# KiCad board TRS80_Model_I_Jap20_E1.kicad_pcb (continued)
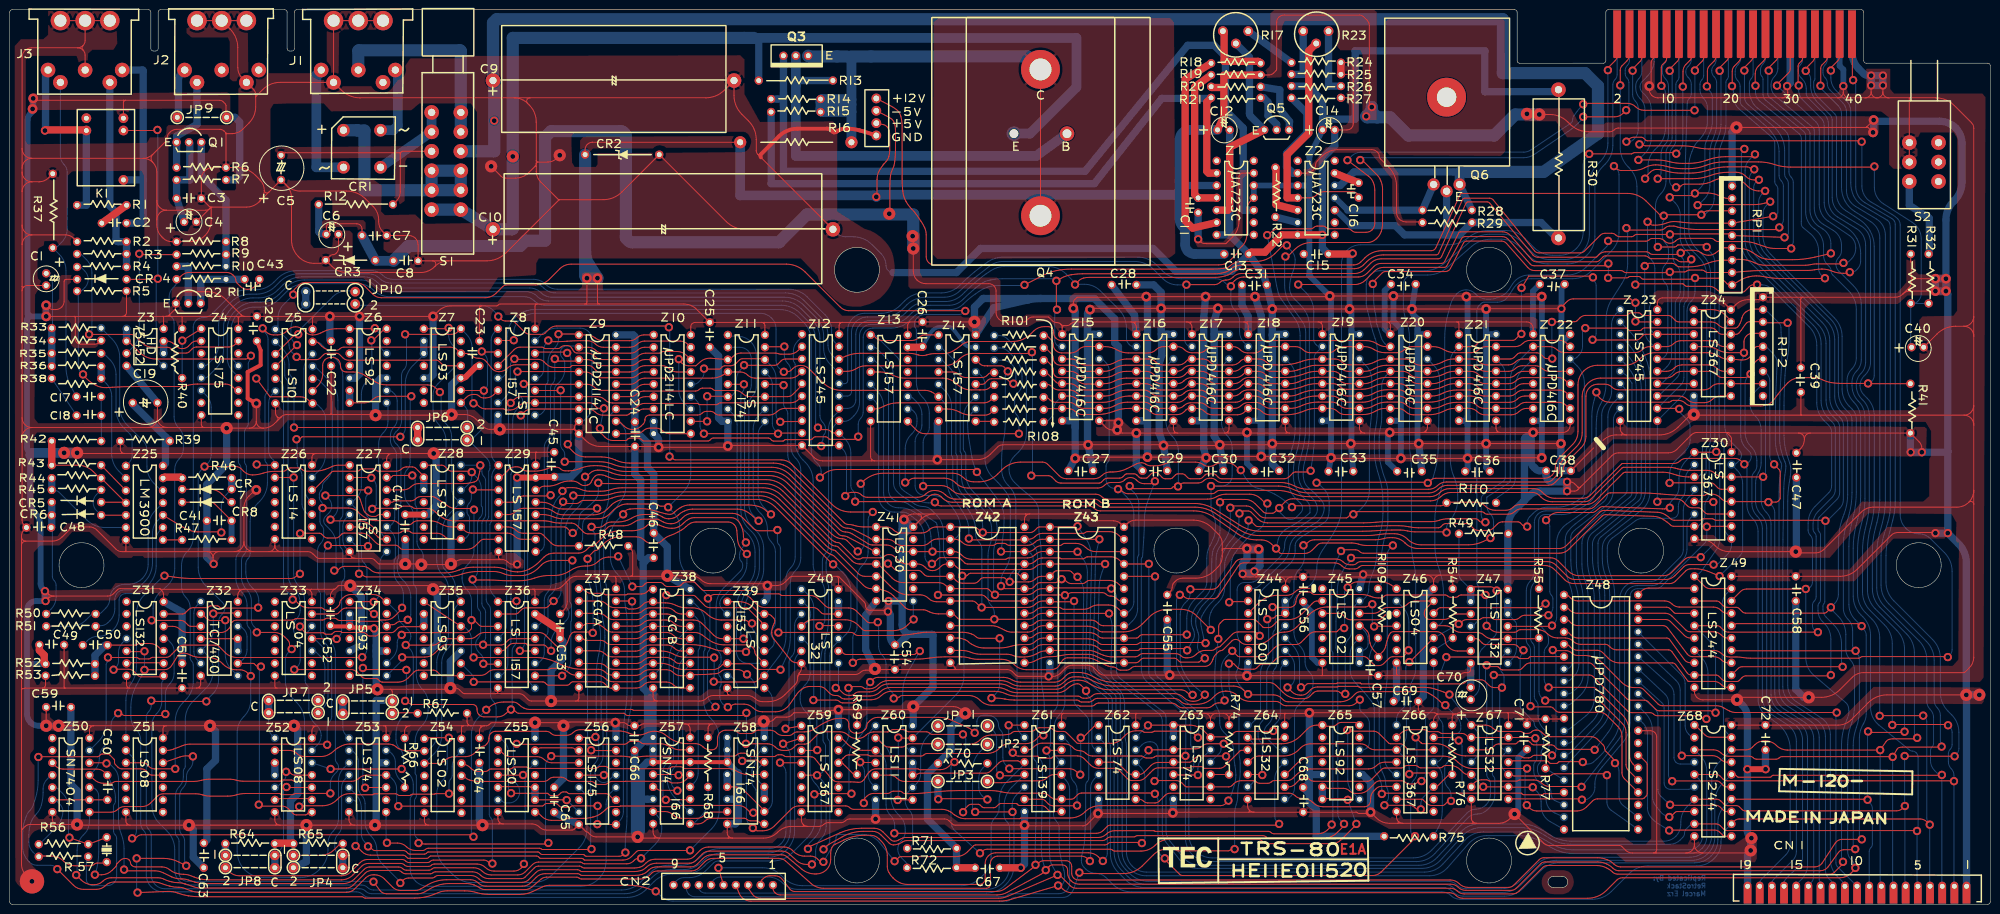
[diagram p0: board, top side]
## Routing (per net, layer and track width the routed paths; a pad name or vN(x,y) marks a point on that pad's centre or on a via; arc(x,y) is an arc through that point) (continued)
+12V: length 756.1
  Top w0.2: TP1.1 180.86,164.32 arc(181.56,163.92) 182.23,163.46 arc(182.77,162.88) 183.09,162.17 183.13,162.01 arc(183.32,161.05) 183.39,160.07 183.39,149.19 arc(183.42,147.98) 183.51,146.77 183.53,146.63 arc(183.74,145.59) 184.16,144.62 184.22,144.51 arc(184.73,143.72) 185.35,143.01 arc(185.98,142.32) 186.54,141.57 187.27,140.48 arc(187.68,139.83) 188.02,139.15 arc(188.26,138.43) 188.34,137.68 188.34,133.16 arc(188.46,132.53) 188.82,132 arc(189.36,131.64) 189.99,131.51 248.45,131.51 arc(249.04,131.56) 249.62,131.68 arc(250.15,131.91) 250.61,132.27 252.2,133.86 arc(252.33,134.05) 252.37,134.27 arc(252.42,134.49) 252.54,134.68 253.3,135.44 arc(253.99,136.47) 254.23,137.68 254.23,142.88 arc(254.41,143.81) 254.94,144.6 Z1.11 ; v1(314.83,124.99) v1(299.34,124.99) 299.27,125.05 arc(299.2,125.1) 299.12,125.11 v1(284.35,125.11) v1(271.27,125.11) 271.21,125.05 arc(271.14,125) 271.05,124.99 v1(255.9,124.99) v1(245.74,124.99) v1(233.55,124.99) 233.49,124.92 arc(233.42,124.88) 233.33,124.86 219.42,124.86 arc(219.33,124.84) 219.26,124.8 218.88,124.42 arc(218.65,124.06) 218.56,123.65 v1(218.56,122.57) ; v1(218.95,91.71) 219.07,91.84 arc(219.21,91.93) 219.38,91.97 v1(233.81,91.97) 245.65,91.97 arc(245.74,91.95) 245.81,91.9 v1(245.87,91.84) 246,91.97 arc(246.14,92.06) 246.3,92.09 v1(257.17,92.09) 271.09,92.09 arc(271.26,92.06) 271.4,91.97 v1(271.52,91.84) 271.59,91.78 arc(271.66,91.73) 271.74,91.71 v1(285.88,91.71) v1(299.59,91.71) 299.65,91.78 arc(299.72,91.82) 299.81,91.84 v1(314.83,91.84)
  Bottom w1.2: 271.52,98.57 271.52,100.35 ; 271.52,98.57 v1(271.52,91.84) C33.1 ; 271.52,98.57 arc(271.26,99.2) 270.63,99.46 ; 271.52,100.35 271.52,124.68 arc(271.49,124.85) 271.4,124.99 v1(271.27,125.11) 267.23,129.15 267.13,129.25 arc(267.09,129.31) 267.08,129.38 267.08,129.52 267.08,146.64 ; 271.52,100.35 arc(271.26,99.72) 270.63,99.46 ; 285.88,100.54 285.88,98.38 ; 285.88,100.54 285.88,118.38 284.35,119.91 v1(284.35,125.11) ; 285.88,100.54 285.88,99.46 ; 285.88,98.38 v1(285.88,91.71) ; 285.88,98.38 285.88,99.46 ; v1(314.83,91.84) 314.84,91.85 arc(314.85,91.86) 314.85,91.88 314.85,98.56 ; 267.08,146.64 267.08,147.85 ; 267.08,146.64 267.08,149.05 ; 267.08,147.85 267.08,149.05 ; 267.08,147.85 Z2.3 Z1.12 Z1.11 ; 267.08,149.05 267.08,153.73 arc(267.09,153.81) 267.12,153.89 C14.1 ; 314.85,100.36 314.85,99.46 ; 314.85,100.36 314.85,124.95 arc(314.85,124.96) 314.84,124.98 v1(314.83,124.99) ; 314.85,100.36 314.85,98.56 ; 314.85,99.46 Z22.8 ; 314.85,99.46 314.85,98.56 ; 299.59,98.57 v1(299.59,91.71) 299.59,89.55 C36.1 ; 299.59,98.57 299.59,99.46 ; 299.59,98.57 299.59,100.35 ; v1(299.34,124.99) 299.46,124.86 arc(299.56,124.72) 299.59,124.55 299.59,100.35 ; 285.88,99.46 Z20.8 ; 299.59,100.35 299.59,99.46 ; 299.59,99.46 Z21.8 ; 270.63,99.46 Z19.8 ; Z18.8 256.51,99.46 arc(256.98,99.66) 257.17,100.13
  Bottom w1.5: Z17.8 245.36,99.46 ; v1(245.74,124.99) 245.37,120.74 arc(245.36,120.67) 245.36,120.6 245.36,100.67 ; 269.79,161.5 276.5,161.5 276.5,175.51 276.48,175.53 303.15,175.53 303.15,167.18 303.15,167.15 303.18,167.15 317.58,167.15 arc(317.84,167.2) 318.06,167.35 R30.1 ; 269.79,161.5 269.79,165.33 266.82,168.29 R26.1 ; 269.79,161.5 C14.1 ; 218.95,98.13 218.95,99.46 ; 218.95,98.13 v1(218.95,91.71) C27.1 ; 218.95,98.13 218.95,100.79 ; 218.95,99.46 218.95,100.79 ; 218.95,99.46 Z15.8 ; v1(218.56,122.57) 218.76,122.38 arc(218.9,122.17) 218.95,121.92 218.95,100.79 ; v1(255.9,124.99) 257.17,121.05 v1(257.17,92.09) ; v1(233.81,91.97) 233.81,98.32 ; 233.81,98.32 233.81,99.46 ; 233.81,98.32 233.81,100.6 ; 245.36,100.67 245.36,99.46 ; 245.36,100.67 245.36,98.25 ; 245.36,99.46 245.36,98.25 ; Z16.8 233.81,99.46 ; 245.36,98.25 245.36,93.75 v1(245.87,91.84) C30.1 ; 233.81,100.6 233.81,124.55 arc(233.77,124.72) 233.68,124.86 v1(233.55,124.99) ; 233.81,100.6 233.81,99.46
-5V: length 426
  Top w0.2: 297.38,119.78 297.74,119.78 ; 297.38,119.78 283.6,119.78 ; 297.38,119.78 arc(297.55,119.75) 297.69,119.65 ; 297.74,119.78 311.75,119.78 arc(312.25,119.68) 312.67,119.4 arc(312.95,118.98) 313.05,118.48 Z22.1 ; 297.74,119.78 arc(297.67,119.73) 297.69,119.65 ; 254.36,119.78 253.64,119.78 ; 254.36,119.78 268.88,119.78 ; 254.36,119.78 arc(254.22,119.69) 254.25,119.53 ; 253.64,119.78 242.76,119.78 ; 253.64,119.78 arc(253.97,119.71) 254.25,119.53 ; 268.88,119.78 269.6,119.78 ; 268.88,119.78 arc(269.21,119.71) 269.49,119.53 ; C7.1 72.39,138.89 arc(72.31,139.3) 72.07,139.66 arc(71.72,139.89) 71.3,139.97 65.71,139.97 arc(65.46,139.92) 65.25,139.78 arc(65.11,139.57) 65.06,139.32 C6.2 ; 231.33,119.78 230.43,119.78 ; 231.33,119.78 241.86,119.78 ; 231.33,119.78 arc(231.16,119.67) 231.2,119.46 ; 230.43,119.78 218.98,119.78 arc(218.48,119.68) 218.06,119.4 arc(217.63,119.12) 217.14,119.02 216.73,119.02 ; 230.43,119.78 arc(230.85,119.7) 231.2,119.46 ; Z19.1 269.75,118.91 arc(269.68,119.24) 269.49,119.53 ; Z17.1 242.95,118.7 arc(242.87,119.11) 242.63,119.46 ; v3(180.74,142.03) 180.81,142.09 arc(180.85,142.16) 180.87,142.25 180.87,148.16 arc(180.9,148.99) 180.99,149.81 181.02,149.98 arc(181.17,150.61) 181.42,151.21 arc(181.68,151.8) 181.82,152.43 181.87,152.86 arc(181.98,153.95) 182.01,155.03 182.01,159.38 arc(181.96,160.03) 181.8,160.67 181.78,160.73 arc(181.51,161.23) 181.09,161.62 arc(180.58,161.93) 180.06,162.21 TP1.2 ; 283.07,119.78 269.6,119.78 ; 283.07,119.78 283.6,119.78 ; 283.07,119.78 arc(283.31,119.73) 283.53,119.59 ; 269.6,119.78 arc(269.46,119.69) 269.49,119.53 ; 283.6,119.78 arc(283.5,119.71) 283.53,119.59 ; v3(185.54,137.43) 185.61,137.37 arc(185.66,137.3) 185.67,137.22 v3(185.67,134.89) 185.67,130.26 arc(185.87,129.26) 186.43,128.42 arc(187.28,127.85) 188.27,127.65 201.17,127.65 arc(201.75,127.54) 202.25,127.21 arc(202.57,126.72) 202.69,126.14 202.69,121.78 arc(203.28,120.37) 204.69,119.78 208.57,119.78 arc(208.65,119.8) 208.72,119.84 209.23,120.35 arc(209.72,120.68) 210.3,120.8 213.4,120.8 arc(213.48,120.78) 213.55,120.73 214.27,120.01 arc(214.67,119.75) 215.14,119.65 215.19,119.65 arc(215.61,119.57) 215.96,119.34 ; 241.86,119.78 242.76,119.78 ; 241.86,119.78 arc(242.28,119.7) 242.63,119.46 ; 242.76,119.78 arc(242.59,119.67) 242.63,119.46 ; Z18.1 254.51,118.91 arc(254.44,119.24) 254.25,119.53 ; Z20.1 283.72,119.13 arc(283.67,119.38) 283.53,119.59 ; Z21.1 297.81,119.35 arc(297.78,119.51) 297.69,119.65 ; Z16.1 231.52,118.7 arc(231.44,119.11) 231.2,119.46 ; 216.28,118.57 Z15.1 ; 216.28,118.57 arc(216.41,118.89) 216.73,119.02 ; 216.28,118.57 arc(216.2,118.98) 215.96,119.34 ; 216.73,119.02 arc(216.31,119.1) 215.96,119.34
  Bottom w1.2: Z22.1 313.04,117.25 arc(313.03,117.26) 313.03,117.28 313.03,126.11 C37.1 ; C34.1 282.55,126.23 282.55,118.5 arc(282.57,118.41) 282.61,118.34 Z20.1
  Bottom w1.5: Z16.1 231.15,121.1 231.14,121.18 C28.1 ; C31.1 253.24,123.21 254.51,120.92 Z18.1 ; C6.2 65,137.88 arc(64.93,137.92) 64.85,137.94 64.15,137.94 arc(63.9,137.99) 63.69,138.13 63.59,138.23 arc(63.52,138.33) 63.5,138.46 R12.1
  Bottom w2: C8.1 75.32,132.35 arc(75.24,132.37) 75.17,132.42 arc(75.11,132.48) 75.06,132.56 C7.1
  Bottom w2.5: v3(185.67,134.89) 185.67,141.88 163.83,141.88 158.11,136.16 127.82,136.16 arc(127.53,136.22) 127.28,136.39 126.69,136.98 arc(126.64,137.06) 126.62,137.16 126.62,137.37 126.62,157.99 arc(126.57,158.24) 126.43,158.45 126.05,158.83 arc(125.83,158.97) 125.59,159.02 111.25,159.02 110,157.77 110,136.5 106,136.5 104.9,135.4 82.31,135.4 82.31,135.39 82.03,135.39 82.03,135.4 arc(81.89,135.37) 81.78,135.3 81.57,135.09 C8.1
GND: length 4191.5
  Top w0.2: J3.2 15.49,177.69 arc(15.38,177.1) 15.05,176.61 ; 50.54,166.07 50.54,164.04 arc(50.18,162.22) 49.15,160.68 47.89,159.41 arc(46.89,158.75) 45.72,158.51 44.51,158.51 ; 50.54,166.07 50.54,166.58 arc(50.44,167.11) 50.14,167.56 47.75,169.94 arc(47.09,170.93) 46.86,172.09 46.86,176.2 arc(46.45,178.28) 45.27,180.05 J2.5 ; 50.54,166.07 arc(50.56,166.13) 50.59,166.18 52,167.6 arc(53.62,168.68) 55.53,169.06 J1.4 ; v2(334.08,119.88) 334.13,119.83 arc(334.19,119.79) 334.26,119.78 Z23.19 ; 108.52,152.67 110.64,152.67 arc(111.56,152.85) 112.33,153.37 v3(113.03,154.07) ; 108.52,152.67 arc(108.29,152.77) 108.2,152.99 ; 108.52,152.67 arc(108.29,152.58) 108.2,152.36 ; 403.6,85.15 403.6,98.6 ; 403.6,85.15 403.6,82.28 ; 403.6,85.15 arc(403.34,83.82) 402.59,82.7 ; 403.6,98.6 403.6,102.6 ; 403.6,98.6 arc(403.02,100.02) 401.6,100.6 ; 148.53,13.61 154.88,13.61 arc(156.46,13.92) 157.8,14.81 arc(159.13,15.71) 160.71,16.02 162.91,16.02 ; 148.53,13.61 147.63,13.61 ; 148.53,13.61 arc(148.11,13.69) 147.76,13.93 ; 116.85,41.8 116.31,41.8 ; 116.85,41.8 132.35,41.8 ; 116.85,41.8 arc(116.75,41.87) 116.77,41.99 ; 116.31,41.8 v3(111.25,41.8) 107.25,41.8 arc(106.84,41.88) 106.49,42.12 105.73,42.88 arc(105.23,43.21) 104.65,43.33 100.25,43.33 ; 116.31,41.8 arc(116.56,41.85) 116.77,41.99 ; 2.6,15.45 3.17,16.02 arc(3.6,16.3) 4.09,16.4 8.95,16.4 ; 2.6,15.45 arc(2.46,15.24) 2.41,14.99 ; 2.6,15.45 arc(2.48,15.43) 2.41,15.53 ; 86.08,16.28 85.36,16.28 ; 86.08,16.28 v3(97.15,16.28) 97.28,16.4 arc(97.42,16.5) 97.59,16.53 100.51,16.53 ; 86.08,16.28 arc(85.75,16.34) 85.47,16.53 ; 85.36,16.28 v3(75.06,16.28) 70.81,16.28 ; 85.36,16.28 arc(85.5,16.37) 85.47,16.53 ; 403.6,120.89 403.6,159.66 arc(403.49,160.25) 403.16,160.74 399.61,164.29 arc(397.84,165.47) 395.76,165.88 390.42,165.88 ; 403.6,120.89 403.6,116.89 ; 403.6,120.89 arc(403.02,119.48) 401.6,118.89 ; Z29.8 100.45,71.32 arc(100.49,71.15) 100.58,71.01 ; 8.84,150.26 8.02,149.43 arc(7.1,148.82) 6.02,148.61 4.54,148.61 ; J2.5 J2.5 ; 384.94,167.09 v2(384.94,168.42) ; 384.94,167.09 arc(385.29,166.23) 386.14,165.88 ; 384.94,167.09 arc(384.58,166.23) 383.73,165.88 ; 32.22,142.77 40.32,142.77 arc(40.73,142.85) 41.08,143.08 41.31,143.31 ; 32.22,142.77 arc(30.81,142.18) 30.22,140.77 ; 32.22,142.77 arc(30.81,143.35) 30.22,144.77 ; Z48.29 337.15,35.71 arc(337.65,35.61) 338.07,35.32 arc(338.35,34.9) 338.45,34.41 338.45,11.21 arc(338.4,10.96) 338.26,10.75 ; 3.3,74.69 8.74,74.69 arc(9.82,74.91) 10.73,75.52 12.19,76.98 arc(12.89,77.45) 13.72,77.62 16.38,77.62 arc(17.2,77.45) 17.9,76.99 21.86,73.03 arc(22.4,72.66) 23.05,72.54 23.66,72.54 ; 3.3,74.69 arc(2.67,74.96) 2.41,75.58 ; 3.3,74.69 arc(2.67,74.43) 2.41,73.81 ; J4.8 337.94,174.59 arc(337.86,174.17) 337.63,173.82 arc(337.39,173.47) 337.31,173.05 337.31,168.94 arc(337.26,168.7) 337.12,168.48 v1(336.93,168.29) 336.93,167.6 arc(337.06,166.95) 337.42,166.4 337.44,166.39 arc(338,166.01) 338.66,165.88 364.23,165.88 ; 32.35,98.06 28.35,98.06 ; 32.35,98.06 39.48,98.06 ; 32.35,98.06 arc(30.94,98.65) 30.35,100.06 ; 28.35,98.06 4.54,98.06 ; 28.35,98.06 arc(29.77,98.65) 30.35,100.06 ; 54.99,99.46 55.75,100.22 ; 54.99,99.46 54.42,98.89 arc(53.36,98.18) 52.12,97.94 52.07,97.94 ; 54.99,99.46 arc(55.15,99.84) 54.99,100.22 ; 55.75,100.22 55.81,100.29 arc(56.31,100.61) 56.89,100.73 65.82,100.73 ; 55.75,100.22 arc(55.37,100.06) 54.99,100.22 ; 338.34,10.56 344.49,10.56 ; 338.34,10.56 337.8,10.56 ; 338.34,10.56 arc(338.24,10.63) 338.26,10.75 ; 344.49,10.56 347.91,10.56 ; 344.49,10.56 arc(345.7,11.06) 346.2,12.27 ; 55.57,16.28 v3(60.96,16.28) 69.91,16.28 ; 55.57,16.28 54.67,16.28 ; 55.57,16.28 arc(55.15,16.36) 54.8,16.59 ; 41.78,71.33 41.78,70.21 arc(41.8,70.13) 41.84,70.06 v2(41.91,70) ; 41.78,71.33 arc(41.43,72.18) 40.57,72.54 ; 41.78,71.33 arc(42.13,72.18) 42.99,72.54 ; 70.23,71.52 70.07,71.68 arc(69.91,71.93) 69.85,72.22 Z27.8 ; 70.23,71.52 arc(70.28,71.28) 70.07,71.14 ; 70.23,71.52 arc(70.65,71.24) 71.15,71.14 ; 30.22,144.77 30.22,150.62 arc(30.01,151.7) 29.4,152.61 ; 30.22,144.77 30.22,140.77 ; 194.12,48.28 C54.2 178.01,48.28 arc(177.93,48.3) 177.86,48.34 v3(177.8,48.41) 177.67,48.28 arc(177.53,48.19) 177.36,48.15 175.89,48.15 arc(175.31,48.04) 174.81,47.71 arc(174.32,47.38) 173.74,47.26 162.46,47.26 ; 194.12,48.28 194.5,48.28 ; 194.12,48.28 arc(194.25,48.33) 194.31,48.47 ; 78.18,44.22 v3(75.56,44.22) 75.44,44.34 arc(75.3,44.44) 75.13,44.47 54.91,44.47 ; 78.18,44.22 78.54,44.22 ; 78.18,44.22 arc(78.34,44.18) 78.48,44.09 ; 103.66,165.88 71.97,165.88 arc(69.89,166.29) 68.13,167.47 J1.4 ; 103.66,165.88 106.9,165.88 ; 103.66,165.88 arc(105.16,165.58) 106.43,164.74 ; 24.74,16.28 v3(36.83,16.28) 54.67,16.28 ; 24.74,16.28 24.02,16.28 ; 24.74,16.28 arc(24.41,16.34) 24.13,16.53 ; 364.23,165.88 366.52,165.88 ; 364.23,165.88 arc(365.04,166.22) 365.38,167.02 ; 101.41,16.53 107.3,16.53 arc(108.13,16.36) 108.84,15.89 arc(109.54,15.42) 110.37,15.26 115.57,15.26 arc(115.8,15.31) 116,15.44 Z56.8 118.4,14.97 arc(118.5,14.9) 118.62,14.88 arc(118.73,14.85) 118.83,14.79 119.25,14.37 arc(119.81,13.99) 120.48,13.86 v3(129.03,13.86) 129.16,13.74 arc(129.3,13.64) 129.46,13.61 132.43,13.61 ; 101.41,16.53 100.51,16.53 ; 101.41,16.53 arc(101,16.61) 100.65,16.85 ; 44.51,158.51 arc(44.47,158.5) 44.45,158.45 ; 44.51,158.51 arc(44.47,158.53) 44.45,158.58 ; Z38.9 132.2,42.67 arc(132.27,42.34) 132.46,42.06 ; Z27.15 78.22,87.78 arc(78.32,87.8) 78.41,87.85 78.62,88.07 arc(78.78,88.17) 78.96,88.21 v2(82.73,88.21) ; 2.54,135.69 2.54,127.09 ; 2.54,135.69 2.54,139.69 ; 2.54,135.69 arc(3.12,137.1) 4.54,137.69 ; 2.54,127.09 2.54,126.19 ; 2.54,127.09 arc(2.65,126.92) 2.86,126.96 ; 42.99,72.54 40.57,72.54 ; 42.99,72.54 46.13,72.54 ; 40.57,72.54 23.84,72.54 ; 100.53,70.88 92.7,70.88 arc(92.12,70.77) 91.63,70.44 91.36,70.18 arc(91.16,70.04) 90.93,70 v3(90.68,70) 90.61,69.93 arc(90.54,69.89) 90.46,69.87 v3(84.58,69.87) 84.52,69.93 arc(84.45,69.98) 84.36,70 v3(81.28,70) 75.91,70 arc(75.82,70.01) 75.75,70.06 74.99,70.82 arc(74.64,71.06) 74.23,71.14 71.15,71.14 ; 100.53,70.88 100.89,70.88 ; 100.53,70.88 arc(100.6,70.93) 100.58,71.01 ; Z49.10 346.2,43.79 arc(346.33,43.13) 346.71,42.56 arc(347.27,42.19) 347.93,42.06 v3(354.96,42.06) 355.22,42.31 arc(355.5,42.5) 355.83,42.56 v3(369.69,42.56) 372.28,42.56 arc(374.35,42.98) 376.11,44.15 378.65,46.69 arc(379.7,47.4) 380.95,47.64 401.61,47.64 arc(401.69,47.66) 401.76,47.71 402.71,48.66 arc(403.37,49.64) 403.6,50.81 403.6,82.28 ; 147.56,42.94 144.57,42.94 arc(143.82,42.8) 143.19,42.37 arc(142.56,41.95) 141.81,41.8 133.07,41.8 ; 147.56,42.94 148.1,42.94 ; 147.56,42.94 arc(147.66,43.01) 147.64,43.14 ; 23.84,72.54 23.66,72.54 ; 23.84,72.54 arc(23.8,72.56) 23.81,72.6 ; 376.81,167.09 v2(376.81,168.29) ; 376.81,167.09 arc(376.45,166.23) 375.6,165.88 ; 376.81,167.09 arc(377.16,166.23) 378.01,165.88 ; 177.06,91.21 167,91.21 arc(166.06,91.39) 165.27,91.92 Z12.10 147.79,94.38 arc(147.71,94.36) 147.64,94.32 v1(147.57,94.25) 147.44,94.12 arc(147.3,94.03) 147.13,93.99 v1(133.35,93.99) 133.27,94.08 arc(133.17,94.14) 133.07,94.16 C24.2 121.46,94.16 arc(119.74,94.5) 118.28,95.48 116.35,97.41 ; 177.06,91.21 177.78,91.21 ; 177.06,91.21 arc(177.2,91.3) 177.16,91.46 ; 65.26,132.8 65.84,133.37 arc(66.12,133.56) 66.44,133.62 arc(66.77,133.69) 67.05,133.87 67.18,134 arc(67.46,134.43) 67.56,134.92 C6.1 ; 65.26,132.8 64.63,132.16 ; 65.26,132.8 arc(65.13,132.48) 65.26,132.16 ; 69.91,16.28 70.81,16.28 ; 69.91,16.28 arc(70.08,16.39) 70.04,16.59 ; 44.45,158.45 44.45,158.58 ; 44.45,158.45 R6.2 ; 44.45,158.58 arc(44.44,158.64) 44.4,158.69 44.07,159.02 arc(43.64,159.3) 43.15,159.4 34.33,159.4 arc(33.59,159.26) 32.95,158.83 32.74,158.62 arc(32.48,158.22) 32.38,157.75 arc(32.29,157.28) 32.02,156.89 29.4,154.26 ; 54.91,44.47 54.56,44.47 ; 54.91,44.47 arc(54.75,44.5) 54.61,44.6 ; Z55.7 100.33,17.61 arc(100.41,17.2) 100.65,16.85 ; 24.11,44.47 24.65,44.47 ; 24.11,44.47 11.39,44.47 ; 24.11,44.47 arc(24.22,44.54) 24.19,44.66 ; 24.65,44.47 38.37,44.47 ; 24.65,44.47 arc(24.4,44.52) 24.19,44.66 ; 2.41,75.58 2.41,75.75 arc(2.54,76.42) 2.92,76.98 2.98,77.04 arc(3.17,77.49) 2.98,77.93 arc(2.65,78.43) 2.54,79.01 2.54,96.06 ; 2.41,75.58 2.41,73.81 ; J3.2 15.49,174.65 arc(15.38,175.23) 15.05,175.72 ; R6.2 41.75,151.53 arc(40.84,151.35) 40.07,150.83 arc(39.55,150.06) 39.37,149.15 C3.2 41.06,143.49 arc(41.16,143.43) 41.27,143.4 ; R6.2 46.67,151.53 arc(48.72,151.12) 50.46,149.96 51.42,149 arc(52.09,148) 52.32,146.83 ; 132.43,13.61 133.51,13.61 ; 132.43,13.61 arc(132.63,13.75) 132.59,13.99 ; 133.51,13.61 147.63,13.61 ; 133.51,13.61 arc(133.01,13.71) 132.59,13.99 ; 54.67,16.28 arc(54.84,16.39) 54.8,16.59 ; Z51.7 23.87,17.14 arc(23.94,16.81) 24.13,16.53 ; 2.54,151.44 2.54,150.61 ; 2.54,151.44 2.54,155.43 ; 2.54,151.44 arc(3.12,152.85) 4.54,153.44 ; 2.54,150.61 2.54,146.61 ; 2.54,150.61 arc(3.12,149.19) 4.54,148.61 ; 147.44,62.25 149.84,62.25 arc(151.5,61.92) 152.91,60.98 153.86,60.02 arc(154.21,59.79) 154.62,59.71 155.61,59.71 arc(156.12,59.61) 156.54,59.32 157.02,58.85 arc(157.17,58.62) 157.22,58.35 arc(157.19,58.06) 157.1,57.79 156.91,57.37 arc(156.67,56.67) 156.59,55.93 156.59,55.91 arc(156.71,55.18) 157.07,54.53 160.39,50.32 arc(160.99,49.85) 161.73,49.68 162.47,49.68 arc(162.55,49.66) 162.62,49.61 arc(162.67,49.54) 162.69,49.46 162.69,48.56 arc(162.59,48.07) 162.3,47.64 ; 24.02,16.28 14.06,16.28 arc(13.97,16.29) 13.9,16.34 v3(13.84,16.4) 9.85,16.4 ; 24.02,16.28 arc(24.16,16.37) 24.13,16.53 ; 301.44,16.66 305.99,16.66 arc(307.24,16.9) 308.29,17.61 v3(309.24,18.56) 315.27,12.53 arc(315.77,12.2) 316.36,12.08 330.82,12.08 arc(331.07,12.03) 331.28,11.89 332.04,11.13 arc(332.67,10.71) 333.42,10.56 337.8,10.56 ; 301.44,16.66 300.54,16.66 ; 301.44,16.66 arc(301.02,16.74) 300.67,16.97 ; 65.82,100.73 66,100.73 ; 65.82,100.73 arc(65.9,100.75) 65.97,100.79 ; 66,100.73 74.97,100.73 arc(75.05,100.71) 75.12,100.67 v3(75.18,100.6) 90.59,100.6 arc(90.67,100.62) 90.74,100.67 v3(90.8,100.73) 93.43,100.73 arc(94.76,100.47) 95.88,99.71 97.41,98.19 arc(97.97,97.81) 98.63,97.68 v3(100.71,97.68) 115.69,97.68 ; 66,100.73 arc(65.97,100.75) 65.97,100.79 ; Z45.7 269.75,47.25 arc(269.73,47.17) 269.68,47.1 ; 2.54,126.19 2.54,100.06 ; 2.54,126.19 arc(2.62,126.6) 2.86,126.96 ; 2.54,100.06 2.54,96.06 ; 2.54,100.06 arc(3.12,98.65) 4.54,98.06 ; 70.81,16.28 arc(70.39,16.36) 70.04,16.59 ; 23.66,72.54 arc(23.74,72.55) 23.81,72.6 ; Z13.8 176.91,92.07 arc(176.98,91.74) 177.16,91.46 ; 4.54,98.06 arc(3.12,97.48) 2.54,96.06 ; 78.54,44.22 90.12,44.22 arc(90.28,44.25) 90.42,44.34 v3(90.55,44.47) 91.53,44.47 arc(92.03,44.37) 92.45,44.09 93.03,43.52 arc(93.24,43.38) 93.49,43.33 99.89,43.33 ; 78.54,44.22 arc(78.47,44.17) 78.48,44.09 ; 9.85,16.4 8.95,16.4 ; 9.85,16.4 arc(9.43,16.48) 9.08,16.72 ; 2.54,155.43 2.54,174.22 arc(2.69,174.96) 3.11,175.6 arc(3.74,176.02) 4.49,176.17 13.97,176.17 ; 2.54,155.43 arc(3.12,154.02) 4.54,153.44 ; 403.6,82.28 arc(403.24,82.83) 402.59,82.7 ; 153.73,154.26 C10.2 151.1,138.83 arc(149.01,139.24) 147.25,140.42 CR2.2 125.8,146.52 arc(124.03,145.34) 121.95,144.93 112.96,144.93 ; 153.73,154.26 arc(153.5,154.61) 153.41,155.03 153.41,157.28 arc(153,159.36) 151.82,161.12 150.44,162.51 arc(149.26,164.27) 148.84,166.36 C9.2 146.88,167.47 arc(145.11,166.3) 143.03,165.88 106.9,165.88 ; 153.73,154.26 arc(154.05,154.13) 154.37,154.26 ; 112.86,144.88 101.92,133.95 arc(100.16,132.77) 98.07,132.35 90.14,132.35 ; 112.86,144.88 arc(112.86,144.91) 112.84,144.93 ; 112.86,144.88 arc(112.91,144.91) 112.96,144.93 ; 41.31,143.31 C4.2 ; 41.31,143.31 arc(41.37,143.32) 41.4,143.28 ; 41.31,143.31 arc(41.32,143.37) 41.27,143.4 ; Z59.8 162.69,17.32 arc(162.78,16.82) 163.07,16.4 ; 106.9,165.88 arc(106.28,165.47) 106.43,164.74 ; 108.2,151.72 108.2,150.77 arc(108.44,149.59) 109.1,148.6 112.73,144.97 arc(112.78,144.94) 112.84,144.93 ; 108.2,151.72 108.2,152.36 ; 108.2,151.72 arc(108.12,151.84) 107.98,151.81 ; 90.14,132.35 86.9,132.35 ; 90.14,132.35 arc(88.64,132.06) 87.37,131.21 ; R25.2 275.88,170.71 arc(275.96,170.69) 276.03,170.64 ; Z39.8 147.44,43.6 arc(147.49,43.35) 147.64,43.14 ; 71.15,71.14 70.07,71.14 ; 7.25,44.47 6.71,44.47 ; 7.25,44.47 11.21,44.47 ; 7.25,44.47 arc(7.15,44.54) 7.17,44.66 ; 6.71,44.47 3.14,44.47 arc(3.05,44.45) 2.98,44.41 arc(2.91,44.36) 2.83,44.34 2.66,44.34 ; 6.71,44.47 arc(6.96,44.52) 7.17,44.66 ; 346.2,75.2 346.33,75.08 arc(346.47,74.98) 346.63,74.95 347.85,74.95 arc(349.14,74.69) 350.24,73.96 350.45,73.74 arc(351.79,72.85) 353.37,72.54 v3(367.03,72.54) 367.15,72.41 arc(367.3,72.32) 367.46,72.28 371.16,72.28 arc(372.04,72.46) 372.78,72.96 379.47,79.65 380.49,80.66 arc(381.62,81.42) 382.94,81.68 400.14,81.68 arc(401.46,81.94) 402.59,82.7 ; J3.2 J3.2 ; 133.07,41.8 132.35,41.8 ; 133.07,41.8 arc(132.74,41.87) 132.46,42.06 ; 390.37,165.88 390.42,165.88 ; 390.37,165.88 386.14,165.88 ; 390.37,165.88 arc(390.38,165.88) 390.38,165.87 ; 390.42,165.88 arc(390.4,165.88) 390.38,165.87 ; 177.78,91.21 190.19,91.21 arc(190.36,91.24) 190.5,91.33 v1(190.62,91.46) 198.88,91.46 arc(200.29,91.74) 201.48,92.54 203.01,94.06 arc(203.5,94.39) 204.08,94.51 v1(221.61,94.51) 236.89,94.51 arc(236.97,94.49) 237.04,94.44 v1(237.11,94.38) 248.45,94.38 arc(248.53,94.4) 248.6,94.44 v1(248.66,94.51) 259.03,94.51 arc(259.19,94.54) 259.33,94.63 v1(259.46,94.76) v1(275.59,94.76) v1(289.56,94.76) v1(303.4,94.76) v1(318.77,94.76) ; 177.78,91.21 arc(177.44,91.27) 177.16,91.46 ; v1(221.99,122.32) 222.12,122.45 arc(222.26,122.54) 222.43,122.57 v1(236.6,122.57) v1(248.28,122.57) 248.35,122.51 arc(248.42,122.46) 248.5,122.45 v1(259.46,122.45) v1(275.33,122.45) v1(288.16,122.45) v1(303.4,122.45) 303.43,122.47 arc(303.45,122.49) 303.49,122.5 v2(318.87,122.5) 318.87,122.66 arc(318.9,122.82) 318.99,122.94 320.05,124.01 arc(320.63,124.39) 321.31,124.53 333.02,124.53 arc(333.09,124.52) 333.14,124.48 333.81,123.81 arc(333.89,123.76) 333.98,123.74 v2(334.08,123.74) ; 11.39,44.47 11.21,44.47 ; 11.39,44.47 arc(11.31,44.49) 11.24,44.53 ; C40.2 396.04,117.3 arc(397.81,118.48) 399.89,118.89 401.6,118.89 ; 269.71,47.03 C57.1 285.06,47.03 ; 269.71,47.03 269.53,47.03 ; 269.71,47.03 arc(269.67,47.06) 269.68,47.1 ; 100.51,16.53 arc(100.69,16.64) 100.65,16.85 ; 285.42,47.03 297.53,47.03 arc(297.93,47.11) 298.27,47.34 arc(298.61,47.56) 299.01,47.64 299.58,47.64 arc(299.82,47.69) 300.04,47.83 arc(300.18,48.05) 300.23,48.29 Z47.7 ; 285.42,47.03 285.06,47.03 ; 285.42,47.03 arc(285.25,47.07) 285.11,47.16 ; 276.1,170.67 276.1,171.82 arc(276,172.32) 275.71,172.74 arc(275.29,173.02) 274.8,173.12 R24.2 ; 276.1,170.67 276.1,170.49 ; 276.1,170.67 arc(276.07,170.64) 276.03,170.64 ; v1(50.67,103.02) 50.67,99.33 ; 50.67,99.33 arc(51.08,98.35) 52.07,97.94 ; 50.67,99.33 arc(50.26,98.35) 49.27,97.94 ; 64.63,132.16 arc(64.95,132.29) 65.26,132.16 ; 64.63,132.16 arc(64.28,131.93) 63.86,131.84 62.51,131.84 arc(60.84,132.18) 59.43,133.12 59.31,133.24 arc(58.27,134.79) 57.91,136.61 57.91,145.3 arc(57.63,146.71) 56.83,147.91 C5.1 ; 347.91,10.56 356.64,10.56 arc(356.97,10.63) 357.25,10.81 357.41,10.98 arc(357.51,11.04) 357.63,11.07 v3(357.76,11.07) ; 347.91,10.56 arc(346.7,11.06) 346.2,12.27 ; Z5.7 54.61,101.14 arc(54.71,100.64) 54.99,100.22 ; 2.41,73.81 2.41,44.6 ; 54.48,73.81 Z26.7 ; 54.48,73.81 arc(54.11,72.91) 53.21,72.54 ; 54.48,73.81 arc(54.85,72.91) 55.75,72.54 ; 132.35,41.8 arc(132.49,41.89) 132.46,42.06 ; 8.95,16.4 arc(9.12,16.52) 9.08,16.72 ; 2.41,14.99 2.41,15.53 ; 2.41,14.99 2.41,8.34 arc(2.68,6.99) 3.44,5.84 v4(4.57,4.72) ; 2.41,15.53 2.41,44.09 ; 49.27,97.94 v3(44.58,97.94) 44.51,98 arc(44.44,98.05) 44.36,98.06 40.02,98.06 ; 49.27,97.94 52.07,97.94 ; Z37.9 116.97,42.45 arc(116.92,42.2) 116.77,41.99 ; 403.6,102.6 403.6,116.89 ; 403.6,102.6 arc(403.02,101.19) 401.6,100.6 ; 403.6,116.89 arc(403.02,118.31) 401.6,118.89 ; 269.53,47.03 254.3,47.03 arc(254.28,47.03) 254.26,47.02 v1(254.25,47.01) 254.19,47.07 arc(254.12,47.12) 254.04,47.14 v1(238.38,47.14) 224.91,47.14 arc(224.33,47.25) 223.84,47.58 222.82,48.6 arc(222.19,49.02) 221.44,49.17 218.36,49.17 arc(217.61,49.02) 216.98,48.6 215.83,47.45 arc(215.2,47.03) 214.45,46.88 v2(213.49,46.88) 207.37,46.88 arc(207.04,46.95) 206.75,47.14 206.06,47.83 arc(205.56,48.16) 204.98,48.28 194.5,48.28 ; 269.53,47.03 arc(269.61,47.05) 269.68,47.1 ; 99.89,43.33 100.25,43.33 ; 99.89,43.33 arc(100.06,43.36) 100.2,43.45 ; 285.21,16.66 283.55,16.66 arc(282.06,16.95) 280.8,17.8 v1(279.65,18.94) 279.52,18.81 arc(279.38,18.72) 279.22,18.69 277.29,18.69 arc(277.13,18.72) 276.99,18.81 arc(276.84,18.91) 276.68,18.94 C68.2 255.68,18.94 ; 285.21,16.66 286.29,16.66 ; 285.21,16.66 arc(285.42,16.79) 285.37,17.04 ; 375.6,165.88 378.01,165.88 ; 375.6,165.88 366.52,165.88 ; 378.01,165.88 381.32,165.88 ; 115.69,97.68 arc(115.96,97.79) 116.08,98.06 ; 115.69,97.68 arc(116.05,97.61) 116.35,97.41 ; 39.48,98.06 40.02,98.06 ; 39.48,98.06 arc(39.58,98.13) 39.56,98.25 ; 337.8,10.56 arc(338.05,10.61) 338.26,10.75 ; Z25.7 23.87,72.75 arc(23.86,72.67) 23.81,72.6 ; 55.75,72.54 61.22,72.54 arc(61.8,72.42) 62.29,72.09 62.99,71.39 arc(63.27,71.21) 63.6,71.14 70.07,71.14 ; 55.75,72.54 53.21,72.54 ; 383.73,165.88 381.32,165.88 ; 383.73,165.88 386.14,165.88 ; 383.73,165.88 arc(382.88,166.23) 382.52,167.09 ; 381.32,165.88 arc(382.17,166.23) 382.52,167.09 ; 2.54,139.69 2.54,146.61 ; 2.54,139.69 arc(3.12,138.27) 4.54,137.69 ; C5.1 56.89,147.85 arc(58.16,147) 59.65,146.7 69.25,146.7 arc(71.33,146.29) 73.09,145.11 74.69,143.51 arc(75.53,142.27) 75.82,140.8 75.82,140.38 arc(76.03,139.3) 76.64,138.39 77.06,137.97 arc(77.51,137.67) 78.05,137.56 82.02,137.56 arc(82.74,137.42) 83.36,137 arc(83.77,136.39) 83.91,135.66 C8.2 86.9,132.35 ; C5.1 53.22,146.46 ; 368.24,100.6 401.6,100.6 ; 368.24,100.6 368.11,100.6 ; 368.24,100.6 arc(368.18,100.61) 368.13,100.65 ; 41.27,143.4 41.53,143.4 ; 41.53,143.4 48.64,143.4 arc(50.05,143.68) 51.24,144.48 51.42,144.66 ; 41.53,143.4 arc(41.44,143.36) 41.4,143.28 ; 286.29,16.66 300.54,16.66 ; 286.29,16.66 arc(285.79,16.76) 285.37,17.04 ; 300.54,16.66 arc(300.71,16.77) 300.67,16.97 ; R27.2 275.88,165.88 arc(275.96,165.9) 276.03,165.94 ; C14.2 274.8,159.28 arc(275.29,159.38) 275.71,159.66 arc(276,160.08) 276.1,160.58 276.1,165.92 ; Z54.7 85.22,17.14 arc(85.28,16.81) 85.47,16.53 ; R2.1 13.14,136.99 arc(12.37,137.51) 11.46,137.69 4.54,137.69 ; v2(365.25,168.29) 365.31,168.23 arc(365.36,168.16) 365.38,168.08 365.38,167.02 ; 87.37,131.21 87.31,131.15 arc(85.97,130.25) 84.4,129.94 69.28,129.94 arc(67.62,130.27) 66.22,131.21 65.26,132.16 ; 87.37,131.21 arc(87.52,131.94) 86.9,132.35 ; 2.66,44.34 arc(2.49,44.27) 2.41,44.09 ; 2.66,44.34 arc(2.49,44.42) 2.41,44.6 ; 2.41,44.6 2.41,44.09 ; 53.21,72.54 50.13,72.54 ; 46.13,72.54 50.13,72.54 ; 46.13,72.54 arc(47.55,73.12) 48.13,74.54 ; 11.21,44.47 arc(11.25,44.49) 11.24,44.53 ; C1.2 3.62,127.27 arc(3.21,127.19) 2.86,126.96 ; 100.25,43.33 arc(100.18,43.37) 100.2,43.45 ; 66.04,110.76 66.04,100.95 arc(66.02,100.86) 65.97,100.79 ; Z67.7 300.35,17.74 arc(300.44,17.33) 300.67,16.97 ; 27.41,153.44 4.54,153.44 ; 27.41,153.44 arc(28.48,153.65) 29.4,154.26 ; 27.41,153.44 arc(28.48,153.22) 29.4,152.61 ; 38.37,44.47 39.09,44.47 ; 38.37,44.47 arc(38.71,44.54) 38.99,44.72 ; 39.09,44.47 54.56,44.47 ; 39.09,44.47 arc(38.95,44.56) 38.99,44.72 ; S2.5 S2.6 390.37,165.83 arc(390.37,165.85) 390.38,165.87 ; Z64.7 254.38,20.24 arc(254.48,19.75) 254.76,19.32 ; 162.91,16.02 163.99,16.02 ; 162.91,16.02 arc(163.11,16.16) 163.07,16.4 ; v1(50.67,85.24) 50.54,85.24 arc(50.43,85.21) 50.33,85.15 49.15,83.97 arc(48.4,82.84) 48.13,81.51 48.13,74.54 ; 285.06,47.03 arc(285.13,47.08) 285.11,47.16 ; 51.42,144.66 53.22,146.46 ; 51.42,144.66 arc(52.09,145.66) 52.32,146.83 ; 53.22,146.46 arc(52.65,146.34) 52.32,146.83 ; 368.11,100.6 346.29,100.6 arc(346.21,100.62) 346.14,100.67 v3(346.07,100.73) 345.76,100.73 arc(345.46,100.67) 345.21,100.51 342.84,98.13 arc(341.08,96.95) 338.99,96.54 332.26,96.54 ; 368.11,100.6 arc(368.13,100.62) 368.13,100.65 ; Z23.10 330.96,97.84 arc(331.06,97.34) 331.34,96.92 ; 162.46,47.26 arc(162.08,47.11) 161.92,46.72 ; 162.46,47.26 arc(162.26,47.4) 162.3,47.64 ; C49.2 11.17,44.69 arc(11.19,44.6) 11.24,44.53 ; 108.2,152.36 108.2,152.99 ; 108.2,152.36 arc(108.14,152.06) 107.98,151.81 ; 161.92,46.72 161.92,46.5 